# Allegro board LED_FIN.brd (continued)
## Nets (continued)
COL_OUT_C110: D9130.1(CATHODE) D9160.1(CATHODE) D9190.1(CATHODE) D9220.1(CATHODE) D9250.1(CATHODE) D9280.1(CATHODE) D9310.1(CATHODE) D9340.1(CATHODE) D9370.1(CATHODE) D9400.1(CATHODE) D9430.1(CATHODE) D9460.1(CATHODE) D9490.1(CATHODE) D9520.1(CATHODE) D9550.1(CATHODE) D9580.1(CATHODE) D9610.1(CATHODE) D9640.1(CATHODE) D9670.1(CATHODE) D9700.1(CATHODE) D9730.1(CATHODE) D9760.1(CATHODE) D9790.1(CATHODE) D9820.1(CATHODE) D9850.1(CATHODE) D9880.1(CATHODE) D9910.1(CATHODE) D9940.1(CATHODE) D9970.1(CATHODE) D10000.1(CATHODE) D10030.1(CATHODE) D10060.1(CATHODE) D10090.1(CATHODE) D10120.1(CATHODE) D10150.1(CATHODE) D10180.1(CATHODE) D10210.1(CATHODE) D10240.1(CATHODE) R250.1
COL_OUT_C111: D9129.1(CATHODE) D9159.1(CATHODE) D9189.1(CATHODE) D9219.1(CATHODE) D9249.1(CATHODE) D9279.1(CATHODE) D9309.1(CATHODE) D9339.1(CATHODE) D9369.1(CATHODE) D9399.1(CATHODE) D9429.1(CATHODE) D9459.1(CATHODE) D9489.1(CATHODE) D9519.1(CATHODE) D9549.1(CATHODE) D9579.1(CATHODE) D9609.1(CATHODE) D9639.1(CATHODE) D9669.1(CATHODE) D9699.1(CATHODE) D9729.1(CATHODE) D9759.1(CATHODE) D9789.1(CATHODE) D9819.1(CATHODE) D9849.1(CATHODE) D9879.1(CATHODE) D9909.1(CATHODE) D9939.1(CATHODE) D9969.1(CATHODE) D9999.1(CATHODE) D10029.1(CATHODE) D10059.1(CATHODE) D10089.1(CATHODE) D10119.1(CATHODE) D10149.1(CATHODE) D10179.1(CATHODE) D10209.1(CATHODE) D10239.1(CATHODE) R249.1
COL_OUT_C112: D9128.1(CATHODE) D9158.1(CATHODE) D9188.1(CATHODE) D9218.1(CATHODE) D9248.1(CATHODE) D9278.1(CATHODE) D9308.1(CATHODE) D9338.1(CATHODE) D9368.1(CATHODE) D9398.1(CATHODE) D9428.1(CATHODE) D9458.1(CATHODE) D9488.1(CATHODE) D9518.1(CATHODE) D9548.1(CATHODE) D9578.1(CATHODE) D9608.1(CATHODE) D9638.1(CATHODE) D9668.1(CATHODE) D9698.1(CATHODE) D9728.1(CATHODE) D9758.1(CATHODE) D9788.1(CATHODE) D9818.1(CATHODE) D9848.1(CATHODE) D9878.1(CATHODE) D9908.1(CATHODE) D9938.1(CATHODE) D9968.1(CATHODE) D9998.1(CATHODE) D10028.1(CATHODE) D10058.1(CATHODE) D10088.1(CATHODE) D10118.1(CATHODE) D10148.1(CATHODE) D10178.1(CATHODE) D10208.1(CATHODE) D10238.1(CATHODE) R248.1
COL_OUT_C113: D9127.1(CATHODE) D9157.1(CATHODE) D9187.1(CATHODE) D9217.1(CATHODE) D9247.1(CATHODE) D9277.1(CATHODE) D9307.1(CATHODE) D9337.1(CATHODE) D9367.1(CATHODE) D9397.1(CATHODE) D9427.1(CATHODE) D9457.1(CATHODE) D9487.1(CATHODE) D9517.1(CATHODE) D9547.1(CATHODE) D9577.1(CATHODE) D9607.1(CATHODE) D9637.1(CATHODE) D9667.1(CATHODE) D9697.1(CATHODE) D9727.1(CATHODE) D9757.1(CATHODE) D9787.1(CATHODE) D9817.1(CATHODE) D9847.1(CATHODE) D9877.1(CATHODE) D9907.1(CATHODE) D9937.1(CATHODE) D9967.1(CATHODE) D9997.1(CATHODE) D10027.1(CATHODE) D10057.1(CATHODE) D10087.1(CATHODE) D10117.1(CATHODE) D10147.1(CATHODE) D10177.1(CATHODE) D10207.1(CATHODE) D10237.1(CATHODE) R247.1
COL_OUT_C114: D9126.1(CATHODE) D9156.1(CATHODE) D9186.1(CATHODE) D9216.1(CATHODE) D9246.1(CATHODE) D9276.1(CATHODE) D9306.1(CATHODE) D9336.1(CATHODE) D9366.1(CATHODE) D9396.1(CATHODE) D9426.1(CATHODE) D9456.1(CATHODE) D9486.1(CATHODE) D9516.1(CATHODE) D9546.1(CATHODE) D9576.1(CATHODE) D9606.1(CATHODE) D9636.1(CATHODE) D9666.1(CATHODE) D9696.1(CATHODE) D9726.1(CATHODE) D9756.1(CATHODE) D9786.1(CATHODE) D9816.1(CATHODE) D9846.1(CATHODE) D9876.1(CATHODE) D9906.1(CATHODE) D9936.1(CATHODE) D9966.1(CATHODE) D9996.1(CATHODE) D10026.1(CATHODE) D10056.1(CATHODE) D10086.1(CATHODE) D10116.1(CATHODE) D10146.1(CATHODE) D10176.1(CATHODE) D10206.1(CATHODE) D10236.1(CATHODE) R246.1
COL_OUT_C115: D9125.1(CATHODE) D9155.1(CATHODE) D9185.1(CATHODE) D9215.1(CATHODE) D9245.1(CATHODE) D9275.1(CATHODE) D9305.1(CATHODE) D9335.1(CATHODE) D9365.1(CATHODE) D9395.1(CATHODE) D9425.1(CATHODE) D9455.1(CATHODE) D9485.1(CATHODE) D9515.1(CATHODE) D9545.1(CATHODE) D9575.1(CATHODE) D9605.1(CATHODE) D9635.1(CATHODE) D9665.1(CATHODE) D9695.1(CATHODE) D9725.1(CATHODE) D9755.1(CATHODE) D9785.1(CATHODE) D9815.1(CATHODE) D9845.1(CATHODE) D9875.1(CATHODE) D9905.1(CATHODE) D9935.1(CATHODE) D9965.1(CATHODE) D9995.1(CATHODE) D10025.1(CATHODE) D10055.1(CATHODE) D10085.1(CATHODE) D10115.1(CATHODE) D10145.1(CATHODE) D10175.1(CATHODE) D10205.1(CATHODE) D10235.1(CATHODE) R245.1
COL_OUT_C116: D9124.1(CATHODE) D9154.1(CATHODE) D9184.1(CATHODE) D9214.1(CATHODE) D9244.1(CATHODE) D9274.1(CATHODE) D9304.1(CATHODE) D9334.1(CATHODE) D9364.1(CATHODE) D9394.1(CATHODE) D9424.1(CATHODE) D9454.1(CATHODE) D9484.1(CATHODE) D9514.1(CATHODE) D9544.1(CATHODE) D9574.1(CATHODE) D9604.1(CATHODE) D9634.1(CATHODE) D9664.1(CATHODE) D9694.1(CATHODE) D9724.1(CATHODE) D9754.1(CATHODE) D9784.1(CATHODE) D9814.1(CATHODE) D9844.1(CATHODE) D9874.1(CATHODE) D9904.1(CATHODE) D9934.1(CATHODE) D9964.1(CATHODE) D9994.1(CATHODE) D10024.1(CATHODE) D10054.1(CATHODE) D10084.1(CATHODE) D10114.1(CATHODE) D10144.1(CATHODE) D10174.1(CATHODE) D10204.1(CATHODE) D10234.1(CATHODE) R244.1
COL_OUT_C117: D9123.1(CATHODE) D9153.1(CATHODE) D9183.1(CATHODE) D9213.1(CATHODE) D9243.1(CATHODE) D9273.1(CATHODE) D9303.1(CATHODE) D9333.1(CATHODE) D9363.1(CATHODE) D9393.1(CATHODE) D9423.1(CATHODE) D9453.1(CATHODE) D9483.1(CATHODE) D9513.1(CATHODE) D9543.1(CATHODE) D9573.1(CATHODE) D9603.1(CATHODE) D9633.1(CATHODE) D9663.1(CATHODE) D9693.1(CATHODE) D9723.1(CATHODE) D9753.1(CATHODE) D9783.1(CATHODE) D9813.1(CATHODE) D9843.1(CATHODE) D9873.1(CATHODE) D9903.1(CATHODE) D9933.1(CATHODE) D9963.1(CATHODE) D9993.1(CATHODE) D10023.1(CATHODE) D10053.1(CATHODE) D10083.1(CATHODE) D10113.1(CATHODE) D10143.1(CATHODE) D10173.1(CATHODE) D10203.1(CATHODE) D10233.1(CATHODE) R243.1
COL_OUT_C118: D9122.1(CATHODE) D9152.1(CATHODE) D9182.1(CATHODE) D9212.1(CATHODE) D9242.1(CATHODE) D9272.1(CATHODE) D9302.1(CATHODE) D9332.1(CATHODE) D9362.1(CATHODE) D9392.1(CATHODE) D9422.1(CATHODE) D9452.1(CATHODE) D9482.1(CATHODE) D9512.1(CATHODE) D9542.1(CATHODE) D9572.1(CATHODE) D9602.1(CATHODE) D9632.1(CATHODE) D9662.1(CATHODE) D9692.1(CATHODE) D9722.1(CATHODE) D9752.1(CATHODE) D9782.1(CATHODE) D9812.1(CATHODE) D9842.1(CATHODE) D9872.1(CATHODE) D9902.1(CATHODE) D9932.1(CATHODE) D9962.1(CATHODE) D9992.1(CATHODE) D10022.1(CATHODE) D10052.1(CATHODE) D10082.1(CATHODE) D10112.1(CATHODE) D10142.1(CATHODE) D10172.1(CATHODE) D10202.1(CATHODE) D10232.1(CATHODE) R242.1
COL_OUT_C119: D9121.1(CATHODE) D9151.1(CATHODE) D9181.1(CATHODE) D9211.1(CATHODE) D9241.1(CATHODE) D9271.1(CATHODE) D9301.1(CATHODE) D9331.1(CATHODE) D9361.1(CATHODE) D9391.1(CATHODE) D9421.1(CATHODE) D9451.1(CATHODE) D9481.1(CATHODE) D9511.1(CATHODE) D9541.1(CATHODE) D9571.1(CATHODE) D9601.1(CATHODE) D9631.1(CATHODE) D9661.1(CATHODE) D9691.1(CATHODE) D9721.1(CATHODE) D9751.1(CATHODE) D9781.1(CATHODE) D9811.1(CATHODE) D9841.1(CATHODE) D9871.1(CATHODE) D9901.1(CATHODE) D9931.1(CATHODE) D9961.1(CATHODE) D9991.1(CATHODE) D10021.1(CATHODE) D10051.1(CATHODE) D10081.1(CATHODE) D10111.1(CATHODE) D10141.1(CATHODE) D10171.1(CATHODE) D10201.1(CATHODE) D10231.1(CATHODE) R241.1
DC_FPGA: J10.1(PIN) J12.1(PIN) SW1.2
DC_LED: CIN.1 CVCC.1 DS1.2(K) M1.3(DRAIN) RPOWER.1 U515.1(VDD)
ROW_CON_A0: J1.1(DIP_1) U38.2(GATE)
ROW_CON_A1: J1.2(DIP_2) U37.2(GATE)
ROW_CON_A2: J1.3(DIP_3) U36.2(GATE)
ROW_CON_A3: J1.4(DIP_4) U35.2(GATE)
ROW_CON_A4: J1.5(DIP_5) U34.2(GATE)
ROW_CON_A5: J1.6(DIP_6) U33.2(GATE)
ROW_CON_A6: J1.7(DIP_7) U32.2(GATE)
ROW_CON_A7: J1.8(DIP_8) U31.2(GATE)
ROW_CON_A8: J1.9(DIP_9) U30.2(GATE)
ROW_CON_A9: J1.10(DIP_10) U29.2(GATE)
ROW_CON_A10: J1.11(DIP_11) U28.2(GATE)
ROW_CON_A11: J1.12(DIP_12) U27.2(GATE)
ROW_CON_A12: J1.13(DIP_13) U26.2(GATE)
ROW_CON_A13: J1.14(DIP_14) U25.2(GATE)
ROW_CON_A14: J1.15(DIP_15) U24.2(GATE)
ROW_CON_A15: J1.16(DIP_16) U23.2(GATE)
ROW_CON_A16: J1.17(DIP_17) U22.2(GATE)
ROW_CON_A17: J1.18(DIP_18) U21.2(GATE)
ROW_CON_A18: J1.19(DIP_19) U20.2(GATE)
ROW_CON_A19: J1.20(DIP_20) U19.2(GATE)
ROW_CON_A20: J1.21(DIP_21) U18.2(GATE)
ROW_CON_A21: J1.22(DIP_22) U17.2(GATE)
ROW_CON_A22: J1.23(DIP_23) U16.2(GATE)
ROW_CON_A23: J1.24(DIP_24) U15.2(GATE)
ROW_CON_A24: J1.25(DIP_25) U14.2(GATE)
ROW_CON_A25: J1.26(DIP_26) U13.2(GATE)
ROW_CON_A26: J1.27(DIP_27) U12.2(GATE)
ROW_CON_A27: J1.28(DIP_28) U11.2(GATE)
ROW_CON_A28: J1.29(DIP_29) U10.2(GATE)
ROW_CON_A29: J1.30(DIP_30) U9.2(GATE)
ROW_CON_A30: J1.31(DIP_31) U8.2(GATE)
ROW_CON_A31: J1.32(DIP_32) U7.2(GATE)
ROW_CON_A32: J1.33(DIP_33) U6.2(GATE)
ROW_CON_A33: J1.34(DIP_34) U5.2(GATE)
ROW_CON_A34: J1.35(DIP_35) U4.2(GATE)
ROW_CON_A35: J1.36(DIP_36) U3.2(GATE)
ROW_CON_A36: J1.37(DIP_37) U2.2(GATE)
ROW_CON_A37: J1.38(DIP_38) U1.2(GATE)
ROW_CON_B0: J2.41(DIP_41) U76.2(GATE)
ROW_CON_B1: J2.42(DIP_42) U75.2(GATE)
ROW_CON_B2: J2.43(DIP_43) U74.2(GATE)
ROW_CON_B3: J2.44(DIP_44) U73.2(GATE)
ROW_CON_B4: J2.45(DIP_45) U72.2(GATE)
ROW_CON_B5: J2.46(DIP_46) U71.2(GATE)
ROW_CON_B6: J2.47(DIP_47) U70.2(GATE)
ROW_CON_B7: J2.48(DIP_48) U69.2(GATE)
ROW_CON_B8: J2.49(DIP_49) U68.2(GATE)
ROW_CON_B9: J2.50(DIP_50) U67.2(GATE)
ROW_CON_B10: J2.51(DIP_51) U66.2(GATE)
ROW_CON_B11: J2.52(DIP_52) U65.2(GATE)
ROW_CON_B12: J2.53(DIP_53) U64.2(GATE)
ROW_CON_B13: J2.54(DIP_54) U63.2(GATE)
ROW_CON_B14: J2.55(DIP_55) U62.2(GATE)
ROW_CON_B15: J2.56(DIP_56) U61.2(GATE)
ROW_CON_B16: J2.57(DIP_57) U60.2(GATE)
ROW_CON_B17: J2.58(DIP_58) U59.2(GATE)
ROW_CON_B18: J2.59(DIP_59) U58.2(GATE)
ROW_CON_B19: J2.60(DIP_60) U57.2(GATE)
ROW_CON_B20: J2.61(DIP_61) U56.2(GATE)
ROW_CON_B21: J2.62(DIP_62) U55.2(GATE)
ROW_CON_B22: J2.63(DIP_63) U54.2(GATE)
ROW_CON_B23: J2.64(DIP_64) U53.2(GATE)
ROW_CON_B24: J2.65(DIP_65) U52.2(GATE)
ROW_CON_B25: J2.66(DIP_66) U51.2(GATE)
ROW_CON_B26: J2.67(DIP_67) U50.2(GATE)
ROW_CON_B27: J2.68(DIP_68) U49.2(GATE)
ROW_CON_B28: J2.69(DIP_69) U48.2(GATE)
ROW_CON_B29: J2.70(DIP_70) U47.2(GATE)
ROW_CON_B30: J2.71(DIP_71) U46.2(GATE)
ROW_CON_B31: J2.72(DIP_72) U45.2(GATE)
ROW_CON_B32: J2.73(DIP_73) U44.2(GATE)
ROW_CON_B33: J2.74(DIP_74) U43.2(GATE)
ROW_CON_B34: J2.75(DIP_75) U42.2(GATE)
ROW_CON_B35: J2.76(DIP_76) U41.2(GATE)
ROW_CON_B36: J2.77(DIP_77) U40.2(GATE)
ROW_CON_B37: J2.78(DIP_78) U39.2(GATE)
ROW_CON_C0: J1.41(DIP_41) U86.2(GATE)
ROW_CON_C1: J1.42(DIP_42) U85.2(GATE)
ROW_CON_C2: J1.43(DIP_43) U84.2(GATE)
ROW_CON_C3: J1.44(DIP_44) U83.2(GATE)
ROW_CON_C4: J1.45(DIP_45) U82.2(GATE)
ROW_CON_C5: J1.46(DIP_46) U81.2(GATE)
ROW_CON_C6: J1.47(DIP_47) U80.2(GATE)
ROW_CON_C7: J1.48(DIP_48) U79.2(GATE)
ROW_CON_C8: J1.49(DIP_49) U78.2(GATE)
ROW_CON_C9: J1.50(DIP_50) U77.2(GATE)
ROW_CON_C10: J1.51(DIP_51) U114.2(GATE)
ROW_CON_C11: J1.52(DIP_52) U113.2(GATE)
ROW_CON_C12: J1.53(DIP_53) U112.2(GATE)
ROW_CON_C13: J1.54(DIP_54) U111.2(GATE)
ROW_CON_C14: J1.55(DIP_55) U110.2(GATE)
ROW_CON_C15: J1.56(DIP_56) U109.2(GATE)
ROW_CON_C16: J1.57(DIP_57) U108.2(GATE)
ROW_CON_C17: J1.58(DIP_58) U107.2(GATE)
ROW_CON_C18: J1.59(DIP_59) U106.2(GATE)
ROW_CON_C19: J2.1(DIP_1) U105.2(GATE)
ROW_CON_C20: J2.2(DIP_2) U104.2(GATE)
ROW_CON_C21: J2.3(DIP_3) U103.2(GATE)
ROW_CON_C22: J2.4(DIP_4) U102.2(GATE)
ROW_CON_C23: J2.5(DIP_5) U101.2(GATE)
ROW_CON_C24: J2.6(DIP_6) U100.2(GATE)
ROW_CON_C25: J2.7(DIP_7) U99.2(GATE)
ROW_CON_C26: J2.8(DIP_8) U98.2(GATE)
ROW_CON_C27: J2.9(DIP_9) U97.2(GATE)
ROW_CON_C28: J2.10(DIP_10) U96.2(GATE)
ROW_CON_C29: J2.11(DIP_11) U95.2(GATE)
ROW_CON_C30: J2.12(DIP_12) U94.2(GATE)
ROW_CON_C31: J2.13(DIP_13) U93.2(GATE)
ROW_CON_C32: J2.14(DIP_14) U92.2(GATE)
ROW_CON_C33: J2.15(DIP_15) U91.2(GATE)
ROW_CON_C34: J2.16(DIP_16) U90.2(GATE)
ROW_CON_C35: J2.17(DIP_17) U89.2(GATE)
ROW_CON_C36: J2.18(DIP_18) U88.2(GATE)
ROW_CON_C37: J2.19(DIP_19) U87.2(GATE)
ROW_OUT_A0: D1111.3(ANODE) D1112.3(ANODE) D1113.3(ANODE) D1114.3(ANODE) D1115.3(ANODE) D1116.3(ANODE) D1117.3(ANODE) D1118.3(ANODE) D1119.3(ANODE) D1120.3(ANODE) D1121.3(ANODE) D1122.3(ANODE) D1123.3(ANODE) D1124.3(ANODE) D1125.3(ANODE) D1126.3(ANODE) D1127.3(ANODE) D1128.3(ANODE) D1129.3(ANODE) D1130.3(ANODE) D1131.3(ANODE) D1132.3(ANODE) D1133.3(ANODE) D1134.3(ANODE) D1135.3(ANODE) D1136.3(ANODE) D1137.3(ANODE) D1138.3(ANODE) D1139.3(ANODE) D1140.3(ANODE) D2251.3(ANODE) D2252.3(ANODE) D2253.3(ANODE) D2254.3(ANODE) D2255.3(ANODE) D2256.3(ANODE) D2257.3(ANODE) D2258.3(ANODE) D2259.3(ANODE) D2260.3(ANODE) D2261.3(ANODE) D2262.3(ANODE) D2263.3(ANODE) D2264.3(ANODE) D2265.3(ANODE) D2266.3(ANODE) D2267.3(ANODE) D2268.3(ANODE) D2269.3(ANODE) D2270.3(ANODE) D2271.3(ANODE) D2272.3(ANODE) D2273.3(ANODE) D2274.3(ANODE) D2275.3(ANODE) D2276.3(ANODE) D2277.3(ANODE) D2278.3(ANODE) D2279.3(ANODE) D2280.3(ANODE) D3391.3(ANODE) D3392.3(ANODE) D3393.3(ANODE) D3394.3(ANODE) D3395.3(ANODE) D3396.3(ANODE) D3397.3(ANODE) D3398.3(ANODE) D3399.3(ANODE) D3400.3(ANODE) D3401.3(ANODE) D3402.3(ANODE) D3403.3(ANODE) D3404.3(ANODE) D3405.3(ANODE) D3406.3(ANODE) D3407.3(ANODE) D3408.3(ANODE) D3409.3(ANODE) D3410.3(ANODE) D3411.3(ANODE) D3412.3(ANODE) D3413.3(ANODE) D3414.3(ANODE) D3415.3(ANODE) D3416.3(ANODE) D3417.3(ANODE) D3418.3(ANODE) D3419.3(ANODE) D3420.3(ANODE) D4531.3(ANODE) D4532.3(ANODE) D4533.3(ANODE) D4534.3(ANODE) D4535.3(ANODE) D4536.3(ANODE) D4537.3(ANODE) D4538.3(ANODE) D4539.3(ANODE) D4540.3(ANODE) D4541.3(ANODE) D4542.3(ANODE) D4543.3(ANODE) D4544.3(ANODE) D4545.3(ANODE) D4546.3(ANODE) D4547.3(ANODE) D4548.3(ANODE) D4549.3(ANODE) D4550.3(ANODE) D4551.3(ANODE) D4552.3(ANODE) D4553.3(ANODE) D4554.3(ANODE) D4555.3(ANODE) D4556.3(ANODE) D4557.3(ANODE) D4558.3(ANODE) D4559.3(ANODE) D4560.3(ANODE) U38.1(DRAIN)
ROW_OUT_A1: D1081.3(ANODE) D1082.3(ANODE) D1083.3(ANODE) D1084.3(ANODE) D1085.3(ANODE) D1086.3(ANODE) D1087.3(ANODE) D1088.3(ANODE) D1089.3(ANODE) D1090.3(ANODE) D1091.3(ANODE) D1092.3(ANODE) D1093.3(ANODE) D1094.3(ANODE) D1095.3(ANODE) D1096.3(ANODE) D1097.3(ANODE) D1098.3(ANODE) D1099.3(ANODE) D1100.3(ANODE) D1101.3(ANODE) D1102.3(ANODE) D1103.3(ANODE) D1104.3(ANODE) D1105.3(ANODE) D1106.3(ANODE) D1107.3(ANODE) D1108.3(ANODE) D1109.3(ANODE) D1110.3(ANODE) D2221.3(ANODE) D2222.3(ANODE) D2223.3(ANODE) D2224.3(ANODE) D2225.3(ANODE) D2226.3(ANODE) D2227.3(ANODE) D2228.3(ANODE) D2229.3(ANODE) D2230.3(ANODE) D2231.3(ANODE) D2232.3(ANODE) D2233.3(ANODE) D2234.3(ANODE) D2235.3(ANODE) D2236.3(ANODE) D2237.3(ANODE) D2238.3(ANODE) D2239.3(ANODE) D2240.3(ANODE) D2241.3(ANODE) D2242.3(ANODE) D2243.3(ANODE) D2244.3(ANODE) D2245.3(ANODE) D2246.3(ANODE) D2247.3(ANODE) D2248.3(ANODE) D2249.3(ANODE) D2250.3(ANODE) D3361.3(ANODE) D3362.3(ANODE) D3363.3(ANODE) D3364.3(ANODE) D3365.3(ANODE) D3366.3(ANODE) D3367.3(ANODE) D3368.3(ANODE) D3369.3(ANODE) D3370.3(ANODE) D3371.3(ANODE) D3372.3(ANODE) D3373.3(ANODE) D3374.3(ANODE) D3375.3(ANODE) D3376.3(ANODE) D3377.3(ANODE) D3378.3(ANODE) D3379.3(ANODE) D3380.3(ANODE) D3381.3(ANODE) D3382.3(ANODE) D3383.3(ANODE) D3384.3(ANODE) D3385.3(ANODE) D3386.3(ANODE) D3387.3(ANODE) D3388.3(ANODE) D3389.3(ANODE) D3390.3(ANODE) D4501.3(ANODE) D4502.3(ANODE) D4503.3(ANODE) D4504.3(ANODE) D4505.3(ANODE) D4506.3(ANODE) D4507.3(ANODE) D4508.3(ANODE) D4509.3(ANODE) D4510.3(ANODE) D4511.3(ANODE) D4512.3(ANODE) D4513.3(ANODE) D4514.3(ANODE) D4515.3(ANODE) D4516.3(ANODE) D4517.3(ANODE) D4518.3(ANODE) D4519.3(ANODE) D4520.3(ANODE) D4521.3(ANODE) D4522.3(ANODE) D4523.3(ANODE) D4524.3(ANODE) D4525.3(ANODE) D4526.3(ANODE) D4527.3(ANODE) D4528.3(ANODE) D4529.3(ANODE) D4530.3(ANODE) U37.1(DRAIN)
ROW_OUT_A2: D1051.3(ANODE) D1052.3(ANODE) D1053.3(ANODE) D1054.3(ANODE) D1055.3(ANODE) D1056.3(ANODE) D1057.3(ANODE) D1058.3(ANODE) D1059.3(ANODE) D1060.3(ANODE) D1061.3(ANODE) D1062.3(ANODE) D1063.3(ANODE) D1064.3(ANODE) D1065.3(ANODE) D1066.3(ANODE) D1067.3(ANODE) D1068.3(ANODE) D1069.3(ANODE) D1070.3(ANODE) D1071.3(ANODE) D1072.3(ANODE) D1073.3(ANODE) D1074.3(ANODE) D1075.3(ANODE) D1076.3(ANODE) D1077.3(ANODE) D1078.3(ANODE) D1079.3(ANODE) D1080.3(ANODE) D2191.3(ANODE) D2192.3(ANODE) D2193.3(ANODE) D2194.3(ANODE) D2195.3(ANODE) D2196.3(ANODE) D2197.3(ANODE) D2198.3(ANODE) D2199.3(ANODE) D2200.3(ANODE) D2201.3(ANODE) D2202.3(ANODE) D2203.3(ANODE) D2204.3(ANODE) D2205.3(ANODE) D2206.3(ANODE) D2207.3(ANODE) D2208.3(ANODE) D2209.3(ANODE) D2210.3(ANODE) D2211.3(ANODE) D2212.3(ANODE) D2213.3(ANODE) D2214.3(ANODE) D2215.3(ANODE) D2216.3(ANODE) D2217.3(ANODE) D2218.3(ANODE) D2219.3(ANODE) D2220.3(ANODE) D3331.3(ANODE) D3332.3(ANODE) D3333.3(ANODE) D3334.3(ANODE) D3335.3(ANODE) D3336.3(ANODE) D3337.3(ANODE) D3338.3(ANODE) D3339.3(ANODE) D3340.3(ANODE) D3341.3(ANODE) D3342.3(ANODE) D3343.3(ANODE) D3344.3(ANODE) D3345.3(ANODE) D3346.3(ANODE) D3347.3(ANODE) D3348.3(ANODE) D3349.3(ANODE) D3350.3(ANODE) D3351.3(ANODE) D3352.3(ANODE) D3353.3(ANODE) D3354.3(ANODE) D3355.3(ANODE) D3356.3(ANODE) D3357.3(ANODE) D3358.3(ANODE) D3359.3(ANODE) D3360.3(ANODE) D4471.3(ANODE) D4472.3(ANODE) D4473.3(ANODE) D4474.3(ANODE) D4475.3(ANODE) D4476.3(ANODE) D4477.3(ANODE) D4478.3(ANODE) D4479.3(ANODE) D4480.3(ANODE) D4481.3(ANODE) D4482.3(ANODE) D4483.3(ANODE) D4484.3(ANODE) D4485.3(ANODE) D4486.3(ANODE) D4487.3(ANODE) D4488.3(ANODE) D4489.3(ANODE) D4490.3(ANODE) D4491.3(ANODE) D4492.3(ANODE) D4493.3(ANODE) D4494.3(ANODE) D4495.3(ANODE) D4496.3(ANODE) D4497.3(ANODE) D4498.3(ANODE) D4499.3(ANODE) D4500.3(ANODE) U36.1(DRAIN)
ROW_OUT_A3: D1021.3(ANODE) D1022.3(ANODE) D1023.3(ANODE) D1024.3(ANODE) D1025.3(ANODE) D1026.3(ANODE) D1027.3(ANODE) D1028.3(ANODE) D1029.3(ANODE) D1030.3(ANODE) D1031.3(ANODE) D1032.3(ANODE) D1033.3(ANODE) D1034.3(ANODE) D1035.3(ANODE) D1036.3(ANODE) D1037.3(ANODE) D1038.3(ANODE) D1039.3(ANODE) D1040.3(ANODE) D1041.3(ANODE) D1042.3(ANODE) D1043.3(ANODE) D1044.3(ANODE) D1045.3(ANODE) D1046.3(ANODE) D1047.3(ANODE) D1048.3(ANODE) D1049.3(ANODE) D1050.3(ANODE) D2161.3(ANODE) D2162.3(ANODE) D2163.3(ANODE) D2164.3(ANODE) D2165.3(ANODE) D2166.3(ANODE) D2167.3(ANODE) D2168.3(ANODE) D2169.3(ANODE) D2170.3(ANODE) D2171.3(ANODE) D2172.3(ANODE) D2173.3(ANODE) D2174.3(ANODE) D2175.3(ANODE) D2176.3(ANODE) D2177.3(ANODE) D2178.3(ANODE) D2179.3(ANODE) D2180.3(ANODE) D2181.3(ANODE) D2182.3(ANODE) D2183.3(ANODE) D2184.3(ANODE) D2185.3(ANODE) D2186.3(ANODE) D2187.3(ANODE) D2188.3(ANODE) D2189.3(ANODE) D2190.3(ANODE) D3301.3(ANODE) D3302.3(ANODE) D3303.3(ANODE) D3304.3(ANODE) D3305.3(ANODE) D3306.3(ANODE) D3307.3(ANODE) D3308.3(ANODE) D3309.3(ANODE) D3310.3(ANODE) D3311.3(ANODE) D3312.3(ANODE) D3313.3(ANODE) D3314.3(ANODE) D3315.3(ANODE) D3316.3(ANODE) D3317.3(ANODE) D3318.3(ANODE) D3319.3(ANODE) D3320.3(ANODE) D3321.3(ANODE) D3322.3(ANODE) D3323.3(ANODE) D3324.3(ANODE) D3325.3(ANODE) D3326.3(ANODE) D3327.3(ANODE) D3328.3(ANODE) D3329.3(ANODE) D3330.3(ANODE) D4441.3(ANODE) D4442.3(ANODE) D4443.3(ANODE) D4444.3(ANODE) D4445.3(ANODE) D4446.3(ANODE) D4447.3(ANODE) D4448.3(ANODE) D4449.3(ANODE) D4450.3(ANODE) D4451.3(ANODE) D4452.3(ANODE) D4453.3(ANODE) D4454.3(ANODE) D4455.3(ANODE) D4456.3(ANODE) D4457.3(ANODE) D4458.3(ANODE) D4459.3(ANODE) D4460.3(ANODE) D4461.3(ANODE) D4462.3(ANODE) D4463.3(ANODE) D4464.3(ANODE) D4465.3(ANODE) D4466.3(ANODE) D4467.3(ANODE) D4468.3(ANODE) D4469.3(ANODE) D4470.3(ANODE) U35.1(DRAIN)
ROW_OUT_A4: D991.3(ANODE) D992.3(ANODE) D993.3(ANODE) D994.3(ANODE) D995.3(ANODE) D996.3(ANODE) D997.3(ANODE) D998.3(ANODE) D999.3(ANODE) D1000.3(ANODE) D1001.3(ANODE) D1002.3(ANODE) D1003.3(ANODE) D1004.3(ANODE) D1005.3(ANODE) D1006.3(ANODE) D1007.3(ANODE) D1008.3(ANODE) D1009.3(ANODE) D1010.3(ANODE) D1011.3(ANODE) D1012.3(ANODE) D1013.3(ANODE) D1014.3(ANODE) D1015.3(ANODE) D1016.3(ANODE) D1017.3(ANODE) D1018.3(ANODE) D1019.3(ANODE) D1020.3(ANODE) D2131.3(ANODE) D2132.3(ANODE) D2133.3(ANODE) D2134.3(ANODE) D2135.3(ANODE) D2136.3(ANODE) D2137.3(ANODE) D2138.3(ANODE) D2139.3(ANODE) D2140.3(ANODE) D2141.3(ANODE) D2142.3(ANODE) D2143.3(ANODE) D2144.3(ANODE) D2145.3(ANODE) D2146.3(ANODE) D2147.3(ANODE) D2148.3(ANODE) D2149.3(ANODE) D2150.3(ANODE) D2151.3(ANODE) D2152.3(ANODE) D2153.3(ANODE) D2154.3(ANODE) D2155.3(ANODE) D2156.3(ANODE) D2157.3(ANODE) D2158.3(ANODE) D2159.3(ANODE) D2160.3(ANODE) D3271.3(ANODE) D3272.3(ANODE) D3273.3(ANODE) D3274.3(ANODE) D3275.3(ANODE) D3276.3(ANODE) D3277.3(ANODE) D3278.3(ANODE) D3279.3(ANODE) D3280.3(ANODE) D3281.3(ANODE) D3282.3(ANODE) D3283.3(ANODE) D3284.3(ANODE) D3285.3(ANODE) D3286.3(ANODE) D3287.3(ANODE) D3288.3(ANODE) D3289.3(ANODE) D3290.3(ANODE) D3291.3(ANODE) D3292.3(ANODE) D3293.3(ANODE) D3294.3(ANODE) D3295.3(ANODE) D3296.3(ANODE) D3297.3(ANODE) D3298.3(ANODE) D3299.3(ANODE) D3300.3(ANODE) D4411.3(ANODE) D4412.3(ANODE) D4413.3(ANODE) D4414.3(ANODE) D4415.3(ANODE) D4416.3(ANODE) D4417.3(ANODE) D4418.3(ANODE) D4419.3(ANODE) D4420.3(ANODE) D4421.3(ANODE) D4422.3(ANODE) D4423.3(ANODE) D4424.3(ANODE) D4425.3(ANODE) D4426.3(ANODE) D4427.3(ANODE) D4428.3(ANODE) D4429.3(ANODE) D4430.3(ANODE) D4431.3(ANODE) D4432.3(ANODE) D4433.3(ANODE) D4434.3(ANODE) D4435.3(ANODE) D4436.3(ANODE) D4437.3(ANODE) D4438.3(ANODE) D4439.3(ANODE) D4440.3(ANODE) U34.1(DRAIN)
ROW_OUT_A5: D961.3(ANODE) D962.3(ANODE) D963.3(ANODE) D964.3(ANODE) D965.3(ANODE) D966.3(ANODE) D967.3(ANODE) D968.3(ANODE) D969.3(ANODE) D970.3(ANODE) D971.3(ANODE) D972.3(ANODE) D973.3(ANODE) D974.3(ANODE) D975.3(ANODE) D976.3(ANODE) D977.3(ANODE) D978.3(ANODE) D979.3(ANODE) D980.3(ANODE) D981.3(ANODE) D982.3(ANODE) D983.3(ANODE) D984.3(ANODE) D985.3(ANODE) D986.3(ANODE) D987.3(ANODE) D988.3(ANODE) D989.3(ANODE) D990.3(ANODE) D2101.3(ANODE) D2102.3(ANODE) D2103.3(ANODE) D2104.3(ANODE) D2105.3(ANODE) D2106.3(ANODE) D2107.3(ANODE) D2108.3(ANODE) D2109.3(ANODE) D2110.3(ANODE) D2111.3(ANODE) D2112.3(ANODE) D2113.3(ANODE) D2114.3(ANODE) D2115.3(ANODE) D2116.3(ANODE) D2117.3(ANODE) D2118.3(ANODE) D2119.3(ANODE) D2120.3(ANODE) D2121.3(ANODE) D2122.3(ANODE) D2123.3(ANODE) D2124.3(ANODE) D2125.3(ANODE) D2126.3(ANODE) D2127.3(ANODE) D2128.3(ANODE) D2129.3(ANODE) D2130.3(ANODE) D3241.3(ANODE) D3242.3(ANODE) D3243.3(ANODE) D3244.3(ANODE) D3245.3(ANODE) D3246.3(ANODE) D3247.3(ANODE) D3248.3(ANODE) D3249.3(ANODE) D3250.3(ANODE) D3251.3(ANODE) D3252.3(ANODE) D3253.3(ANODE) D3254.3(ANODE) D3255.3(ANODE) D3256.3(ANODE) D3257.3(ANODE) D3258.3(ANODE) D3259.3(ANODE) D3260.3(ANODE) D3261.3(ANODE) D3262.3(ANODE) D3263.3(ANODE) D3264.3(ANODE) D3265.3(ANODE) D3266.3(ANODE) D3267.3(ANODE) D3268.3(ANODE) D3269.3(ANODE) D3270.3(ANODE) D4381.3(ANODE) D4382.3(ANODE) D4383.3(ANODE) D4384.3(ANODE) D4385.3(ANODE) D4386.3(ANODE) D4387.3(ANODE) D4388.3(ANODE) D4389.3(ANODE) D4390.3(ANODE) D4391.3(ANODE) D4392.3(ANODE) D4393.3(ANODE) D4394.3(ANODE) D4395.3(ANODE) D4396.3(ANODE) D4397.3(ANODE) D4398.3(ANODE) D4399.3(ANODE) D4400.3(ANODE) D4401.3(ANODE) D4402.3(ANODE) D4403.3(ANODE) D4404.3(ANODE) D4405.3(ANODE) D4406.3(ANODE) D4407.3(ANODE) D4408.3(ANODE) D4409.3(ANODE) D4410.3(ANODE) U33.1(DRAIN)
ROW_OUT_A6: D931.3(ANODE) D932.3(ANODE) D933.3(ANODE) D934.3(ANODE) D935.3(ANODE) D936.3(ANODE) D937.3(ANODE) D938.3(ANODE) D939.3(ANODE) D940.3(ANODE) D941.3(ANODE) D942.3(ANODE) D943.3(ANODE) D944.3(ANODE) D945.3(ANODE) D946.3(ANODE) D947.3(ANODE) D948.3(ANODE) D949.3(ANODE) D950.3(ANODE) D951.3(ANODE) D952.3(ANODE) D953.3(ANODE) D954.3(ANODE) D955.3(ANODE) D956.3(ANODE) D957.3(ANODE) D958.3(ANODE) D959.3(ANODE) D960.3(ANODE) D2071.3(ANODE) D2072.3(ANODE) D2073.3(ANODE) D2074.3(ANODE) D2075.3(ANODE) D2076.3(ANODE) D2077.3(ANODE) D2078.3(ANODE) D2079.3(ANODE) D2080.3(ANODE) D2081.3(ANODE) D2082.3(ANODE) D2083.3(ANODE) D2084.3(ANODE) D2085.3(ANODE) D2086.3(ANODE) D2087.3(ANODE) D2088.3(ANODE) D2089.3(ANODE) D2090.3(ANODE) D2091.3(ANODE) D2092.3(ANODE) D2093.3(ANODE) D2094.3(ANODE) D2095.3(ANODE) D2096.3(ANODE) D2097.3(ANODE) D2098.3(ANODE) D2099.3(ANODE) D2100.3(ANODE) D3211.3(ANODE) D3212.3(ANODE) D3213.3(ANODE) D3214.3(ANODE) D3215.3(ANODE) D3216.3(ANODE) D3217.3(ANODE) D3218.3(ANODE) D3219.3(ANODE) D3220.3(ANODE) D3221.3(ANODE) D3222.3(ANODE) D3223.3(ANODE) D3224.3(ANODE) D3225.3(ANODE) D3226.3(ANODE) D3227.3(ANODE) D3228.3(ANODE) D3229.3(ANODE) D3230.3(ANODE) D3231.3(ANODE) D3232.3(ANODE) D3233.3(ANODE) D3234.3(ANODE) D3235.3(ANODE) D3236.3(ANODE) D3237.3(ANODE) D3238.3(ANODE) D3239.3(ANODE) D3240.3(ANODE) D4351.3(ANODE) D4352.3(ANODE) D4353.3(ANODE) D4354.3(ANODE) D4355.3(ANODE) D4356.3(ANODE) D4357.3(ANODE) D4358.3(ANODE) D4359.3(ANODE) D4360.3(ANODE) D4361.3(ANODE) D4362.3(ANODE) D4363.3(ANODE) D4364.3(ANODE) D4365.3(ANODE) D4366.3(ANODE) D4367.3(ANODE) D4368.3(ANODE) D4369.3(ANODE) D4370.3(ANODE) D4371.3(ANODE) D4372.3(ANODE) D4373.3(ANODE) D4374.3(ANODE) D4375.3(ANODE) D4376.3(ANODE) D4377.3(ANODE) D4378.3(ANODE) D4379.3(ANODE) D4380.3(ANODE) U32.1(DRAIN)
